# Altium PCB MB1166.PcbDoc (part 34 of 39)
Units mil, origin at the board's own origin, x right, y up, seen from the top; angles counter-clockwise.
Board outline 5000.99 x 2352.96 mil, 4 copper layers (TOP, L2_GND, L3_VCC, BOTTOM), stack 25.9 mil thick; 35 components, 24 nets, 166 pads, 143 vias.
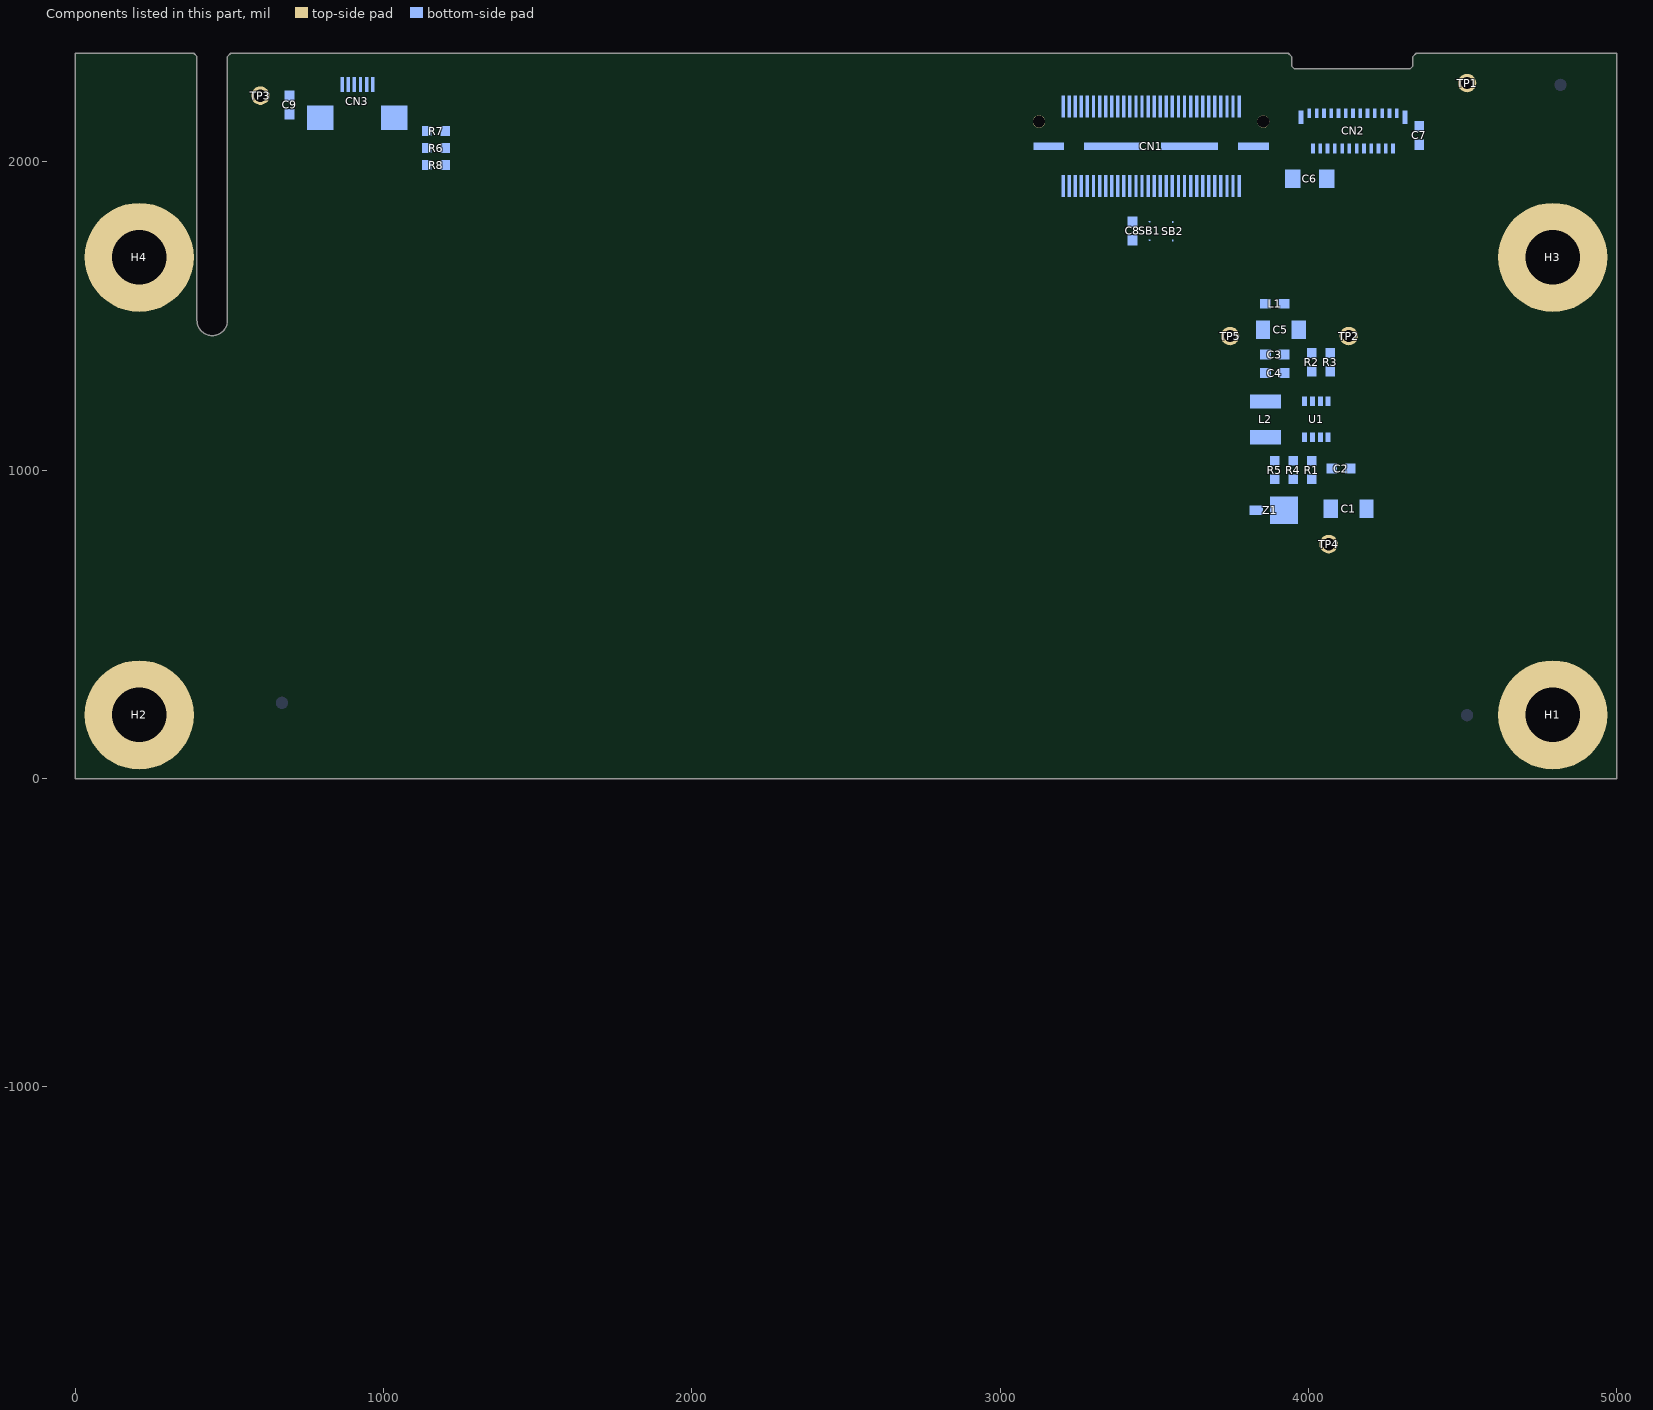
[diagram p36: the components of this part, seen from the top]

## Via types
v1: diameter 24, hole 12, TOP to BOTTOM, 143 vias

## Nets (pads, with @x,y where several pads share a name; then routed paths per layer and width w, separated by ;. In a path a pad name is that pad's centre, name@x,y a point inside that pad or via, vN(x,y) a via of type N, cw(c..) or ccw(c..) an arc to the next point about the centre after c; other vN are vias at no path point) (continued)
copper on no net: (continued)
  BOTTOM w3: 466.47,-1207.12 466.53,-1207.21 ; 466.47,-1207.12 466.53,-1207.21 ; 466.53,-1207.21 466.71,-1207.45 ; 466.53,-1207.21 466.71,-1207.45 ; 466.71,-1207.45 466.76,-1207.53 ; 466.71,-1207.45 466.76,-1207.53 ; 466.69,-1115.38 466.74,-1115.3 ; 466.69,-1115.38 466.74,-1115.3 ; 466.76,-1207.53 467.3,-1208.25 ; 466.76,-1207.53 467.3,-1208.25 ; 466.74,-1115.3 466.8,-1115.21 ; 466.74,-1115.3 466.8,-1115.21 ; 466.8,-1115.21 468.06,-1113.53 ; 466.8,-1115.21 468.06,-1113.53 ; 467.3,-1208.25 467.36,-1208.34 ; 467.3,-1208.25 467.36,-1208.34 ; 467.36,-1208.34 467.54,-1208.58 ; 467.36,-1208.34 467.54,-1208.58 ; 467.54,-1208.58 467.6,-1208.65 ; 467.54,-1208.58 467.6,-1208.65 ; 467.6,-1208.65 468.2,-1209.45 ; 467.6,-1208.65 468.2,-1209.45 ; 468.06,-1113.53 468.12,-1113.46 ; 468.06,-1113.53 468.12,-1113.46 ; 468.12,-1113.46 468.18,-1113.38 ; 468.12,-1113.46 468.18,-1113.38 ; 468.2,-1209.45 468.27,-1209.53 ; 468.2,-1209.45 468.27,-1209.53 ; 468.18,-1113.38 468.25,-1113.3 ; 468.18,-1113.38 468.25,-1113.3 ; 468.27,-1209.53 468.39,-1209.69 ; 468.27,-1209.53 468.39,-1209.69 ; 468.25,-1113.3 468.55,-1112.9 ; 468.25,-1113.3 468.55,-1112.9 ; 468.39,-1209.69 468.45,-1209.76 ; 468.39,-1209.69 468.45,-1209.76 ; 468.45,-1209.76 468.57,-1209.92 ; 468.45,-1209.76 468.57,-1209.92 ; 468.57,-1209.92 468.64,-1210 ; 468.57,-1209.92 468.64,-1210 ; 468.55,-1112.9 468.62,-1112.82 ; 468.55,-1112.9 468.62,-1112.82 ; 468.62,-1112.82 468.68,-1112.75 ; 468.62,-1112.82 468.68,-1112.75 ; 468.64,-1210 468.82,-1210.24 ; 468.64,-1210 468.82,-1210.24 ; 468.68,-1112.75 468.86,-1112.51 ; 468.68,-1112.75 468.86,-1112.51 ; 468.82,-1210.24 468.88,-1210.31 ; 468.82,-1210.24 468.88,-1210.31 ; 468.86,-1112.51 468.93,-1112.43 ; 468.86,-1112.51 468.93,-1112.43 ; 468.88,-1210.31 468.95,-1210.39 ; 468.88,-1210.31 468.95,-1210.39 ; 468.95,-1210.39 469.07,-1210.55 ; 468.95,-1210.39 469.07,-1210.55 ; 468.93,-1112.43 468.99,-1112.35 ; 468.93,-1112.43 468.99,-1112.35 ; 468.99,-1112.35 469.05,-1112.28 ; 468.99,-1112.35 469.05,-1112.28 ; 469.07,-1210.55 469.14,-1210.63 ; 469.07,-1210.55 469.14,-1210.63 ; 469.05,-1112.28 469.11,-1112.2 ; 469.05,-1112.28 469.11,-1112.2 ; 469.11,-1112.2 469.18,-1112.12 ; 469.11,-1112.2 469.18,-1112.12 ; 469.14,-1210.63 469.2,-1210.7 ; 469.14,-1210.63 469.2,-1210.7 ; 469.2,-1210.7 469.32,-1210.86 ; 469.2,-1210.7 469.32,-1210.86 ; 469.18,-1112.12 469.24,-1112.04 ; 469.18,-1112.12 469.24,-1112.04 ; 469.24,-1112.04 469.3,-1111.97 ; 469.24,-1112.04 469.3,-1111.97 ; 469.32,-1210.86 469.39,-1210.94 ; 469.32,-1210.86 469.39,-1210.94 ; 469.3,-1111.97 469.37,-1111.89 ; 469.3,-1111.97 469.37,-1111.89 ; 469.37,-1111.89 469.49,-1111.73 ; 469.37,-1111.89 469.49,-1111.73 ; 469.39,-1210.94 469.45,-1211.01 ; 469.39,-1210.94 469.45,-1211.01 ; 469.45,-1211.01 469.51,-1211.09 ; 469.45,-1211.01 469.51,-1211.09 ; 469.51,-1211.09 469.58,-1211.17 ; 469.51,-1211.09 469.58,-1211.17 ; 469.49,-1111.73 469.56,-1111.66 ; 469.49,-1111.73 469.56,-1111.66 ; 469.56,-1111.66 469.68,-1111.5 ; 469.56,-1111.66 469.68,-1111.5 ; 469.58,-1211.17 469.64,-1211.25 ; 469.58,-1211.17 469.64,-1211.25 ; 469.64,-1211.25 469.7,-1211.32 ; 469.64,-1211.25 469.7,-1211.32 ; 469.7,-1211.32 469.77,-1211.4 ; 469.7,-1211.32 469.77,-1211.4 ; 469.68,-1111.5 469.75,-1111.42 ; 469.68,-1111.5 469.75,-1111.42 ; 469.77,-1211.4 469.83,-1211.48 ; 469.77,-1211.4 469.83,-1211.48 ; 469.75,-1111.42 469.81,-1111.35 ; 469.75,-1111.42 469.81,-1111.35 ; 469.81,-1111.35 469.87,-1111.27 ; 469.81,-1111.35 469.87,-1111.27 ; 469.83,-1211.48 469.9,-1211.55 ; 469.83,-1211.48 469.9,-1211.55 ; 469.87,-1111.27 469.94,-1111.19 ; 469.87,-1111.27 469.94,-1111.19 ; 469.9,-1211.55 470.02,-1211.71 ; 469.9,-1211.55 470.02,-1211.71 ; 469.94,-1111.19 470,-1111.12 ; 469.94,-1111.19 470,-1111.12 ; 470.02,-1211.71 470.09,-1211.78 ; 470.02,-1211.71 470.09,-1211.78 ; 470,-1111.12 470.07,-1111.04 ; 470,-1111.12 470.07,-1111.04 ; 470.07,-1111.04 470.13,-1110.96 ; 470.07,-1111.04 470.13,-1110.96 ; 470.09,-1211.78 470.15,-1211.86 ; 470.09,-1211.78 470.15,-1211.86 ; 470.15,-1211.86 470.22,-1211.94 ; 470.15,-1211.86 470.22,-1211.94 ; 470.13,-1110.96 470.19,-1110.89 ; 470.13,-1110.96 470.19,-1110.89 ; 470.22,-1211.94 470.28,-1212.01 ; 470.22,-1211.94 470.28,-1212.01 ; 470.19,-1110.89 470.26,-1110.81 ; 470.19,-1110.89 470.26,-1110.81 ; 470.26,-1110.81 470.32,-1110.73 ; 470.26,-1110.81 470.32,-1110.73 ; 470.28,-1212.01 470.35,-1212.09 ; 470.28,-1212.01 470.35,-1212.09 ; 470.32,-1110.73 470.39,-1110.66 ; 470.32,-1110.73 470.39,-1110.66 ; 470.35,-1212.09 470.41,-1212.17 ; 470.35,-1212.09 470.41,-1212.17 ; 470.41,-1212.17 470.47,-1212.24 ; 470.41,-1212.17 470.47,-1212.24 ; 470.39,-1110.66 470.45,-1110.58 ; 470.39,-1110.66 470.45,-1110.58 ; 470.47,-1212.24 470.54,-1212.32 ; 470.47,-1212.24 470.54,-1212.32 ; 470.45,-1110.58 470.52,-1110.51 ; 470.45,-1110.58 470.52,-1110.51 ; 470.52,-1110.51 470.58,-1110.43 ; 470.52,-1110.51 470.58,-1110.43 ; 470.54,-1212.32 470.6,-1212.4 ; 470.54,-1212.32 470.6,-1212.4 ; 470.6,-1212.4 470.67,-1212.47 ; 470.6,-1212.4 470.67,-1212.47 ; 470.58,-1110.43 470.65,-1110.35 ; 470.58,-1110.43 470.65,-1110.35 ; 470.67,-1212.47 470.73,-1212.55 ; 470.67,-1212.47 470.73,-1212.55 ; 470.65,-1110.35 470.71,-1110.28 ; 470.65,-1110.35 470.71,-1110.28 ; 470.71,-1110.28 470.78,-1110.2 ; 470.71,-1110.28 470.78,-1110.2 ; 470.73,-1212.55 470.8,-1212.62 ; 470.73,-1212.55 470.8,-1212.62 ; 470.8,-1212.62 470.87,-1212.7 ; 470.8,-1212.62 470.87,-1212.7 ; 470.78,-1110.2 470.84,-1110.13 ; 470.78,-1110.2 470.84,-1110.13 ; 470.87,-1212.7 470.93,-1212.77 ; 470.87,-1212.7 470.93,-1212.77 ; 470.84,-1110.13 470.91,-1110.05 ; 470.84,-1110.13 470.91,-1110.05 ; 470.91,-1110.05 470.97,-1109.97 ; 470.91,-1110.05 470.97,-1109.97 ; 470.93,-1212.77 471,-1212.85 ; 470.93,-1212.77 471,-1212.85 ; 470.97,-1109.97 471.04,-1109.9 ; 470.97,-1109.97 471.04,-1109.9 ; 471,-1212.85 471.06,-1212.92 ; 471,-1212.85 471.06,-1212.92 ; 471.06,-1212.92 471.13,-1213 ; 471.06,-1212.92 471.13,-1213 ; 471.04,-1109.9 471.11,-1109.82 ; 471.04,-1109.9 471.11,-1109.82 ; 471.11,-1109.82 471.17,-1109.75 ; 471.11,-1109.82 471.17,-1109.75 ; 471.13,-1213 471.19,-1213.08 ; 471.13,-1213 471.19,-1213.08 ; 471.17,-1109.75 471.24,-1109.67 ; 471.17,-1109.75 471.24,-1109.67 ; 471.19,-1213.08 471.26,-1213.15 ; 471.19,-1213.08 471.26,-1213.15 ; 471.26,-1213.15 471.33,-1213.23 ; 471.26,-1213.15 471.33,-1213.23 ; 471.24,-1109.67 471.3,-1109.6 ; 471.24,-1109.67 471.3,-1109.6 ; 471.3,-1109.6 471.37,-1109.52 ; 471.3,-1109.6 471.37,-1109.52 ; 471.33,-1213.23 471.39,-1213.3 ; 471.33,-1213.23 471.39,-1213.3 ; 471.37,-1109.52 471.44,-1109.45 ; 471.37,-1109.52 471.44,-1109.45 ; 471.39,-1213.3 471.46,-1213.38 ; 471.39,-1213.3 471.46,-1213.38 ; 471.46,-1213.38 471.52,-1213.45 ; 471.46,-1213.38 471.52,-1213.45 ; 471.44,-1109.45 471.5,-1109.37 ; 471.44,-1109.45 471.5,-1109.37 ; 471.52,-1213.45 471.59,-1213.53 ; 471.52,-1213.45 471.59,-1213.53 ; 471.5,-1109.37 471.57,-1109.3 ; 471.5,-1109.37 471.57,-1109.3 ; 471.57,-1109.3 471.63,-1109.22 ; 471.57,-1109.3 471.63,-1109.22 ; 471.59,-1213.53 471.66,-1213.6 ; 471.59,-1213.53 471.66,-1213.6 ; 471.66,-1213.6 471.72,-1213.67 ; 471.66,-1213.6 471.72,-1213.67 ; 471.63,-1109.22 471.7,-1109.15 ; 471.63,-1109.22 471.7,-1109.15 ; 471.72,-1213.67 471.79,-1213.75 ; 471.72,-1213.67 471.79,-1213.75 ; 471.7,-1109.15 471.77,-1109.07 ; 471.7,-1109.15 471.77,-1109.07 ; 471.77,-1109.07 471.83,-1109 ; 471.77,-1109.07 471.83,-1109 ; 471.79,-1213.75 471.86,-1213.82 ; 471.79,-1213.75 471.86,-1213.82 ; 471.86,-1213.82 471.92,-1213.9 ; 471.86,-1213.82 471.92,-1213.9 ; 471.83,-1109 471.9,-1108.93 ; 471.83,-1109 471.9,-1108.93 ; 471.92,-1213.9 471.99,-1213.97 ; 471.92,-1213.9 471.99,-1213.97 ; 471.9,-1108.93 471.97,-1108.85 ; 471.9,-1108.93 471.97,-1108.85 ; 471.97,-1108.85 472.04,-1108.78 ; 471.97,-1108.85 472.04,-1108.78 ; 471.99,-1213.97 472.06,-1214.05 ; 471.99,-1213.97 472.06,-1214.05 ; 472.06,-1214.05 472.13,-1214.12 ; 472.06,-1214.05 472.13,-1214.12 ; 472.04,-1108.78 472.1,-1108.7 ; 472.04,-1108.78 472.1,-1108.7 ; 472.1,-1108.7 472.24,-1108.56 ; 472.1,-1108.7 472.24,-1108.56 ; 472.13,-1214.12 472.19,-1214.19 ; 472.13,-1214.12 472.19,-1214.19 ; 472.19,-1214.19 472.26,-1214.27 ; 472.19,-1214.19 472.26,-1214.27 ; 472.26,-1214.27 472.33,-1214.34 ; 472.26,-1214.27 472.33,-1214.34 ; 472.24,-1108.56 472.3,-1108.48 ; 472.24,-1108.56 472.3,-1108.48 ; 472.3,-1108.48 472.37,-1108.41 ; 472.3,-1108.48 472.37,-1108.41 ; 472.33,-1214.34 472.4,-1214.42 ; 472.33,-1214.34 472.4,-1214.42 ; 472.37,-1108.41 472.44,-1108.33 ; 472.37,-1108.41 472.44,-1108.33 ; 472.4,-1214.42 472.46,-1214.49 ; 472.4,-1214.42 472.46,-1214.49 ; 472.46,-1214.49 472.53,-1214.56 ; 472.46,-1214.49 472.53,-1214.56 ; 472.44,-1108.33 472.58,-1108.19 ; 472.44,-1108.33 472.58,-1108.19 ; 472.53,-1214.56 472.6,-1214.64 ; 472.53,-1214.56 472.6,-1214.64 ; 472.6,-1214.64 472.67,-1214.71 ; 472.6,-1214.64 472.67,-1214.71 ; 472.58,-1108.19 472.64,-1108.11 ; 472.58,-1108.19 472.64,-1108.11 ; 472.67,-1214.71 472.73,-1214.78 ; 472.67,-1214.71 472.73,-1214.78 ; 472.64,-1108.11 472.78,-1107.97 ; 472.64,-1108.11 472.78,-1107.97 ; 472.73,-1214.78 472.8,-1214.86 ; 472.73,-1214.78 472.8,-1214.86 ; 472.8,-1214.86 472.94,-1215 ; 472.8,-1214.86 472.94,-1215 ; 472.78,-1107.97 472.85,-1107.89 ; 472.78,-1107.97 472.85,-1107.89 ; 472.85,-1107.89 472.92,-1107.82 ; 472.85,-1107.89 472.92,-1107.82 ; 472.92,-1107.82 472.98,-1107.75 ; 472.92,-1107.82 472.98,-1107.75 ; 472.94,-1215 473.01,-1215.08 ; 472.94,-1215 473.01,-1215.08 ; 473.01,-1215.08 473.08,-1215.15 ; 473.01,-1215.08 473.08,-1215.15 ; 472.98,-1107.75 473.05,-1107.67 ; 472.98,-1107.75 473.05,-1107.67 ; 473.05,-1107.67 473.26,-1107.46 ; 473.05,-1107.67 473.26,-1107.46 ; 473.08,-1215.15 473.14,-1215.22 ; 473.08,-1215.15 473.14,-1215.22 ; 473.14,-1215.22 473.21,-1215.29 ; 473.14,-1215.22 473.21,-1215.29 ; 473.21,-1215.29 473.28,-1215.37 ; 473.21,-1215.29 473.28,-1215.37 ; 473.26,-1107.46 473.33,-1107.38 ; 473.26,-1107.46 473.33,-1107.38 ; 473.28,-1215.37 473.49,-1215.58 ; 473.28,-1215.37 473.49,-1215.58 ; 473.33,-1107.38 473.47,-1107.24 ; 473.33,-1107.38 473.47,-1107.24 ; 473.47,-1107.24 473.53,-1107.17 ; 473.47,-1107.24 473.53,-1107.17 ; 473.49,-1215.58 473.56,-1215.66 ; 473.49,-1215.58 473.56,-1215.66 ; 473.56,-1215.66 473.84,-1215.94 ; 473.56,-1215.66 473.84,-1215.94 ; 473.53,-1107.17 473.6,-1107.09 ; 473.53,-1107.17 473.6,-1107.09 ; 473.6,-1107.09 473.95,-1106.74 ; 473.6,-1107.09 473.95,-1106.74 ; 473.84,-1215.94 473.9,-1216.02 ; 473.84,-1215.94 473.9,-1216.02 ; 473.9,-1216.02 474.25,-1216.37 ; 473.9,-1216.02 474.25,-1216.37 ; 473.95,-1106.74 474.02,-1106.66 ; 473.95,-1106.74 474.02,-1106.66 ; 474.02,-1106.66 474.44,-1106.24 ; 474.02,-1106.66 474.44,-1106.24 ; 474.25,-1216.37 474.32,-1216.45 ; 474.25,-1216.37 474.32,-1216.45 ; 474.32,-1216.45 474.46,-1216.59 ; 474.32,-1216.45 474.46,-1216.59 ; 474.46,-1216.59 474.54,-1216.66 ; 474.46,-1216.59 474.54,-1216.66 ; 474.44,-1106.24 474.51,-1106.16 ; 474.44,-1106.24 474.51,-1106.16 ; 474.51,-1106.16 474.86,-1105.81 ; 474.51,-1106.16 474.86,-1105.81 ; 474.54,-1216.66 475.24,-1217.36 ; 474.54,-1216.66 475.24,-1217.36 ; 474.86,-1105.81 474.94,-1105.74 ; 474.86,-1105.81 474.94,-1105.74 ; 474.94,-1105.74 475.43,-1105.25 ; 474.94,-1105.74 475.43,-1105.25 ; 475.24,-1217.36 475.32,-1217.43 ; 475.24,-1217.36 475.32,-1217.43 ; 475.32,-1217.43 475.67,-1217.78 ; 475.32,-1217.43 475.67,-1217.78 ; 475.43,-1105.25 475.51,-1105.18 ; 475.43,-1105.25 475.51,-1105.18 ; 475.51,-1105.18 475.79,-1104.9 ; 475.51,-1105.18 475.79,-1104.9 ; 475.67,-1217.78 475.75,-1217.85 ; 475.67,-1217.78 475.75,-1217.85 ; 475.75,-1217.85 476.03,-1218.13 ; 475.75,-1217.85 476.03,-1218.13 ; 475.79,-1104.9 475.87,-1104.83 ; 475.79,-1104.9 475.87,-1104.83 ; 475.87,-1104.83 476.08,-1104.62 ; 475.87,-1104.83 476.08,-1104.62 ; 476.03,-1218.13 476.11,-1218.2 ; 476.03,-1218.13 476.11,-1218.2 ; 476.11,-1218.2 476.25,-1218.34 ; 476.11,-1218.2 476.25,-1218.34 ; 476.08,-1104.62 476.15,-1104.56 ; 476.08,-1104.62 476.15,-1104.56 ; 476.15,-1104.56 476.23,-1104.49 ; 476.15,-1104.56 476.23,-1104.49 ; 476.25,-1218.34 476.32,-1218.4 ; 476.25,-1218.34 476.32,-1218.4 ; 476.23,-1104.49 476.37,-1104.35 ; 476.23,-1104.49 476.37,-1104.35 ; 476.32,-1218.4 476.4,-1218.47 ; 476.32,-1218.4 476.4,-1218.47 ; 476.37,-1104.35 476.45,-1104.28 ; 476.37,-1104.35 476.45,-1104.28 ; 476.4,-1218.47 476.54,-1218.61 ; 476.4,-1218.47 476.54,-1218.61 ; 476.45,-1104.28 476.59,-1104.14 ; 476.45,-1104.28 476.59,-1104.14 ; 476.54,-1218.61 476.62,-1218.68 ; 476.54,-1218.61 476.62,-1218.68 ; 476.62,-1218.68 476.69,-1218.75 ; 476.62,-1218.68 476.69,-1218.75 ; 476.59,-1104.14 476.66,-1104.08 ; 476.59,-1104.14 476.66,-1104.08 ; 476.66,-1104.08 476.74,-1104.01 ; 476.66,-1104.08 476.74,-1104.01 ; 476.69,-1218.75 476.76,-1218.81 ; 476.69,-1218.75 476.76,-1218.81 ; 476.76,-1218.81 476.84,-1218.88 ; 476.76,-1218.81 476.84,-1218.88 ; 476.74,-1104.01 476.88,-1103.87 ; 476.74,-1104.01 476.88,-1103.87 ; 476.84,-1218.88 476.98,-1219.02 ; 476.84,-1218.88 476.98,-1219.02 ; 476.88,-1103.87 476.96,-1103.8 ; 476.88,-1103.87 476.96,-1103.8 ; 476.96,-1103.8 477.03,-1103.74 ; 476.96,-1103.8 477.03,-1103.74 ; 476.98,-1219.02 477.06,-1219.09 ; 476.98,-1219.02 477.06,-1219.09 ; 477.06,-1219.09 477.13,-1219.15 ; 477.06,-1219.09 477.13,-1219.15 ; 477.03,-1103.74 477.1,-1103.67 ; 477.03,-1103.74 477.1,-1103.67 ; 477.1,-1103.67 477.18,-1103.6 ; 477.1,-1103.67 477.18,-1103.6 ; 477.13,-1219.15 477.2,-1219.22 ; 477.13,-1219.15 477.2,-1219.22 ; 477.2,-1219.22 477.28,-1219.29 ; 477.2,-1219.22 477.28,-1219.29 ; 477.18,-1103.6 477.25,-1103.53 ; 477.18,-1103.6 477.25,-1103.53 ; 477.25,-1103.53 477.33,-1103.46 ; 477.25,-1103.53 477.33,-1103.46 ; 477.28,-1219.29 477.35,-1219.36 ; 477.28,-1219.29 477.35,-1219.36 ; 477.35,-1219.36 477.42,-1219.42 ; 477.35,-1219.36 477.42,-1219.42 ; 477.33,-1103.46 477.4,-1103.4 ; 477.33,-1103.46 477.4,-1103.4 ; 477.42,-1219.42 477.5,-1219.49 ; 477.42,-1219.42 477.5,-1219.49 ; 477.4,-1103.4 477.47,-1103.33 ; 477.4,-1103.4 477.47,-1103.33 ; 477.47,-1103.33 477.55,-1103.26 ; 477.47,-1103.33 477.55,-1103.26 ; 477.5,-1219.49 477.57,-1219.56 ; 477.5,-1219.49 477.57,-1219.56 ; 477.57,-1219.56 477.65,-1219.63 ; 477.57,-1219.56 477.65,-1219.63 ; 477.55,-1103.26 477.62,-1103.2 ; 477.55,-1103.26 477.62,-1103.2 ; 477.62,-1103.2 477.7,-1103.13 ; 477.62,-1103.2 477.7,-1103.13 ; 477.65,-1219.63 477.72,-1219.69 ; 477.65,-1219.63 477.72,-1219.69 ; 477.72,-1219.69 477.8,-1219.76 ; 477.72,-1219.69 477.8,-1219.76 ; 477.7,-1103.13 477.77,-1103.06 ; 477.7,-1103.13 477.77,-1103.06 ; 477.77,-1103.06 477.84,-1103 ; 477.77,-1103.06 477.84,-1103 ; 477.8,-1219.76 477.87,-1219.83 ; 477.8,-1219.76 477.87,-1219.83 ; 477.87,-1219.83 477.94,-1219.89 ; 477.87,-1219.83 477.94,-1219.89 ; 477.84,-1103 477.92,-1102.93 ; 477.84,-1103 477.92,-1102.93 ; 477.92,-1102.93 477.99,-1102.86 ; 477.92,-1102.93 477.99,-1102.86 ; 477.94,-1219.89 478.02,-1219.96 ; 477.94,-1219.89 478.02,-1219.96 ; 478.02,-1219.96 478.09,-1220.03 ; 478.02,-1219.96 478.09,-1220.03 ; 477.99,-1102.86 478.07,-1102.8 ; 477.99,-1102.86 478.07,-1102.8 ; 478.07,-1102.8 478.14,-1102.73 ; 478.07,-1102.8 478.14,-1102.73 ; 478.09,-1220.03 478.17,-1220.09 ; 478.09,-1220.03 478.17,-1220.09 ; 478.17,-1220.09 478.24,-1220.16 ; 478.17,-1220.09 478.24,-1220.16 ; 478.14,-1102.73 478.22,-1102.66 ; 478.14,-1102.73 478.22,-1102.66 ; 478.22,-1102.66 478.29,-1102.6 ; 478.22,-1102.66 478.29,-1102.6 ; 478.24,-1220.16 478.32,-1220.22 ; 478.24,-1220.16 478.32,-1220.22 ; 478.32,-1220.22 478.39,-1220.29 ; 478.32,-1220.22 478.39,-1220.29 ; 478.29,-1102.6 478.37,-1102.53 ; 478.29,-1102.6 478.37,-1102.53 ; 478.37,-1102.53 478.44,-1102.46 ; 478.37,-1102.53 478.44,-1102.46 ; 478.39,-1220.29 478.47,-1220.36 ; 478.39,-1220.29 478.47,-1220.36 ; 478.47,-1220.36 478.54,-1220.42 ; 478.47,-1220.36 478.54,-1220.42 ; 478.44,-1102.46 478.52,-1102.4 ; 478.44,-1102.46 478.52,-1102.4 ; 478.52,-1102.4 478.59,-1102.33 ; 478.52,-1102.4 478.59,-1102.33 ; 478.54,-1220.42 478.62,-1220.49 ; 478.54,-1220.42 478.62,-1220.49 ; 478.62,-1220.49 478.69,-1220.55 ; 478.62,-1220.49 478.69,-1220.55 ; 478.59,-1102.33 478.67,-1102.27 ; 478.59,-1102.33 478.67,-1102.27 ; 478.67,-1102.27 478.74,-1102.2 ; 478.67,-1102.27 478.74,-1102.2 ; 478.69,-1220.55 478.85,-1220.69 ; 478.69,-1220.55 478.85,-1220.69 ; 478.74,-1102.2 478.82,-1102.14 ; 478.74,-1102.2 478.82,-1102.14 ; 478.82,-1102.14 478.9,-1102.07 ; 478.82,-1102.14 478.9,-1102.07 ; 478.85,-1220.69 478.92,-1220.75 ; 478.85,-1220.69 478.92,-1220.75 ; 478.92,-1220.75 479,-1220.82 ; 478.92,-1220.75 479,-1220.82 ; 478.9,-1102.07 478.97,-1102 ; 478.9,-1102.07 478.97,-1102 ; 478.97,-1102 479.05,-1101.94 ; 478.97,-1102 479.05,-1101.94 ; 479,-1220.82 479.07,-1220.88 ; 479,-1220.82 479.07,-1220.88 ; 479.07,-1220.88 479.15,-1220.95 ; 479.07,-1220.88 479.15,-1220.95 ; 479.05,-1101.94 479.12,-1101.87 ; 479.05,-1101.94 479.12,-1101.87 ; 479.12,-1101.87 479.2,-1101.81 ; 479.12,-1101.87 479.2,-1101.81 ; 479.15,-1220.95 479.22,-1221.01 ; 479.15,-1220.95 479.22,-1221.01 ; 479.22,-1221.01 479.3,-1221.08 ; 479.22,-1221.01 479.3,-1221.08 ; 479.2,-1101.81 479.27,-1101.74 ; 479.2,-1101.81 479.27,-1101.74 ; 479.27,-1101.74 479.35,-1101.68 ; 479.27,-1101.74 479.35,-1101.68 ; 479.3,-1221.08 479.38,-1221.14 ; 479.3,-1221.08 479.38,-1221.14 ; 479.35,-1101.68 479.43,-1101.61 ; 479.35,-1101.68 479.43,-1101.61 ; 479.38,-1221.14 479.45,-1221.21 ; 479.38,-1221.14 479.45,-1221.21 ; 479.45,-1221.21 479.53,-1221.27 ; 479.45,-1221.21 479.53,-1221.27 ; 479.43,-1101.61 479.5,-1101.55 ; 479.43,-1101.61 479.5,-1101.55 ; 479.5,-1101.55 479.58,-1101.49 ; 479.5,-1101.55 479.58,-1101.49 ; 479.53,-1221.27 479.61,-1221.34 ; 479.53,-1221.27 479.61,-1221.34 ; 479.61,-1221.34 479.68,-1221.4 ; 479.61,-1221.34 479.68,-1221.4 ; 479.58,-1101.49 479.66,-1101.42 ; 479.58,-1101.49 479.66,-1101.42 ; 479.66,-1101.42 479.73,-1101.36 ; 479.66,-1101.42 479.73,-1101.36 ; 479.68,-1221.4 479.76,-1221.46 ; 479.68,-1221.4 479.76,-1221.46 ; 479.76,-1221.46 479.84,-1221.53 ; 479.76,-1221.46 479.84,-1221.53 ; 479.73,-1101.36 479.81,-1101.29 ; 479.73,-1101.36 479.81,-1101.29 ; 479.81,-1101.29 479.89,-1101.23 ; 479.81,-1101.29 479.89,-1101.23 ; 479.84,-1221.53 479.91,-1221.59 ; 479.84,-1221.53 479.91,-1221.59 ; 479.91,-1221.59 479.99,-1221.66 ; 479.91,-1221.59 479.99,-1221.66 ; 479.89,-1101.23 479.96,-1101.16 ; 479.89,-1101.23 479.96,-1101.16 ; 479.96,-1101.16 480.12,-1101.04 ; 479.96,-1101.16 480.12,-1101.04 ; 479.99,-1221.66 480.07,-1221.72 ; 479.99,-1221.66 480.07,-1221.72 ; 480.07,-1221.72 480.14,-1221.78 ; 480.07,-1221.72 480.14,-1221.78 ; 480.12,-1101.04 480.19,-1100.97 ; 480.12,-1101.04 480.19,-1100.97 ; 480.14,-1221.78 480.22,-1221.85 ; 480.14,-1221.78 480.22,-1221.85 ; 480.22,-1221.85 480.3,-1221.91 ; 480.22,-1221.85 480.3,-1221.91 ; 480.19,-1100.97 480.27,-1100.91 ; 480.19,-1100.97 480.27,-1100.91 ; 480.27,-1100.91 480.35,-1100.84 ; 480.27,-1100.91 480.35,-1100.84 ; 480.3,-1221.91 480.37,-1221.98 ; 480.3,-1221.91 480.37,-1221.98 ; 480.37,-1221.98 480.53,-1222.1 ; 480.37,-1221.98 480.53,-1222.1 ; 480.35,-1100.84 480.43,-1100.78 ; 480.35,-1100.84 480.43,-1100.78 ; 480.43,-1100.78 480.5,-1100.72 ; 480.43,-1100.78 480.5,-1100.72 ; 480.5,-1100.72 480.58,-1100.65 ; 480.5,-1100.72 480.58,-1100.65 ; 480.53,-1222.1 480.61,-1222.17 ; 480.53,-1222.1 480.61,-1222.17 ; 480.61,-1222.17 480.68,-1222.23 ; 480.61,-1222.17 480.68,-1222.23 ; 480.58,-1100.65 480.66,-1100.59 ; 480.58,-1100.65 480.66,-1100.59 ; 480.66,-1100.59 480.73,-1100.53 ; 480.66,-1100.59 480.73,-1100.53 ; 480.68,-1222.23 480.84,-1222.35 ; 480.68,-1222.23 480.84,-1222.35 ; 480.73,-1100.53 480.81,-1100.47 ; 480.73,-1100.53 480.81,-1100.47 ; 480.81,-1100.47 480.89,-1100.4 ; 480.81,-1100.47 480.89,-1100.4 ; 480.84,-1222.35 480.92,-1222.42 ; 480.84,-1222.35 480.92,-1222.42 ; 480.92,-1222.42 480.99,-1222.48 ; 480.92,-1222.42 480.99,-1222.48 ; 480.89,-1100.4 481.05,-1100.28 ; 480.89,-1100.4 481.05,-1100.28 ; 480.99,-1222.48 481.07,-1222.54 ; 480.99,-1222.48 481.07,-1222.54 ; 481.07,-1222.54 481.15,-1222.61 ; 481.07,-1222.54 481.15,-1222.61 ; 481.05,-1100.28 481.12,-1100.21 